# KiCad board MuxPi.kicad_pcb (continued)
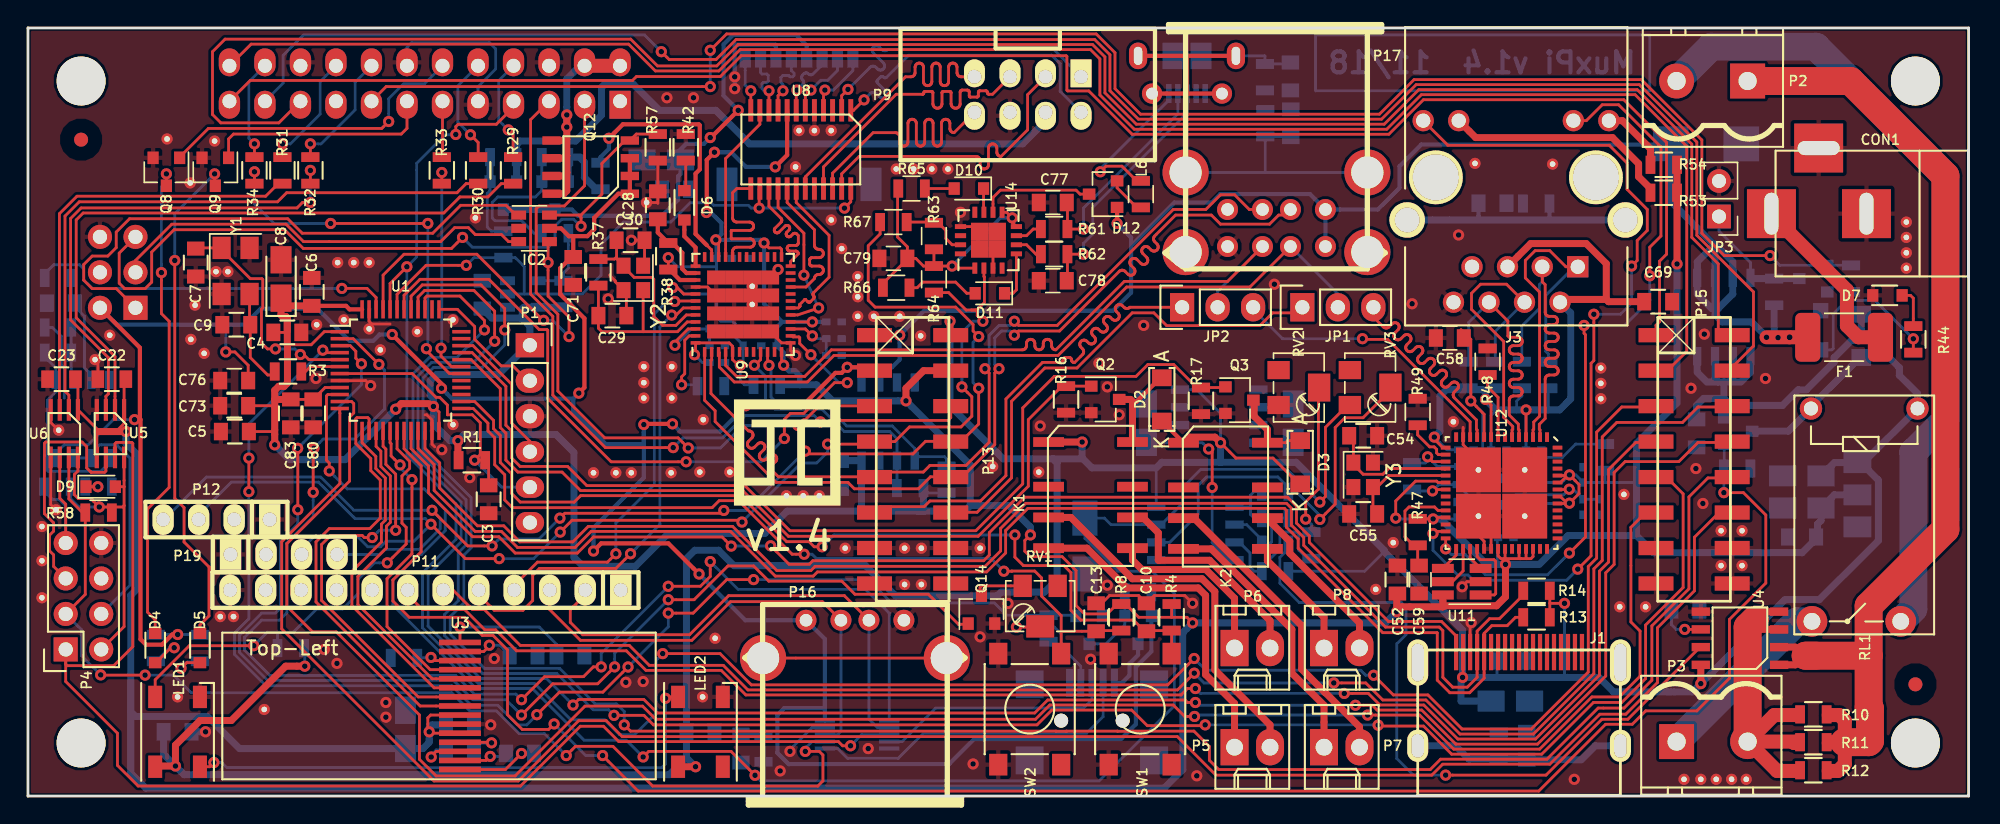
[diagram p0: board, top side]
## Routing (per net, layer and track width the routed paths; a pad name or vN(x,y) marks a point on that pad's centre or on a via; arc(x,y) is an arc through that point) (continued)
/NanoPi/SPI0_CS: length 131.2
  Top w0.2: 115.45,30.4 117.2,30.4 118.64,31.84 118.64,46.53 114.95,50.22 99.66,50.22 97.19,47.74 79.13,47.74 76.67,50.2 76.67,52.78 76,53.45 50.95,53.45 49.42,51.92 44.88,51.92 42.96,53.84 15.96,53.84 P14.24
/NanoPi/SPI0_MISO: length 133
  Top w0.2: v1(45.3,53.3) 45.86,52.74 49.22,52.74 50.65,54.17 76.3,54.17 77.39,53.08 77.39,50.5 79.43,48.46 96.82,48.46 99.29,50.94 115.25,50.94 119.36,46.83 119.36,40.15 123.41,36.1 123.41,32.23 121.59,30.4 120.9,30.4
  Bottom w0.2: v1(45.3,53.3) 44.1,54.5 19.71,54.5 18.25,53.04 18.25,51.05 P14.21
/NanoPi/SPI0_MOSI: length 140.3
  Top w0.2: P14.19 17.94,48.2 13.8,48.2 13.2,48.8 13.2,53.3 14.1,54.2 43.11,54.2 45.03,52.28 49.27,52.28 50.8,53.81 76.15,53.81 77.03,52.93 77.03,50.35 79.28,48.1 97,48.1 99.48,50.58 115.1,50.58 119,46.68 119,40 120.9,38.11 120.9,32.94
/NanoPi/STATUS_LED1: length 22.5
  Top w0.2: Q8.1 10.85,45.75 12.9,47.8 25.3,47.8 v1(25.8,48.3)
  Bottom w0.2: v1(25.8,48.3) 25.8,49.93 26.87,51 28.36,51 P14.12
/NanoPi/STATUS_LED2: length 16.4
  Top w0.2: Q9.1 14.35,47.05 14.7,47.4 26.7,47.4 27.11,47.81 P14.13
/NanoPi/TPI_CLK: length 30.7
  Top w0.2: P18.3 7.69,38.35 10.29,40.95 18.46,40.95 19.71,39.7 29.52,39.7 30.52,40.7 31.5,40.7 32,40.2 33.87,40.2 34.37,39.7 IC2.3
/NanoPi/TPI_DATA: length 40.3
  Top w0.2: IC2.1 34.9,41.6 34.2,42.3 30.95,42.3 28.95,40.3 19.62,40.3 18.58,41.34 7.27,41.34 6.31,40.39 6.31,39.27 5.71,38.66 4.59,38.66 3.99,38.06 3.99,36.94 4.59,36.34 6.31,36.34 P18.1
/NanoPi/TPI_RST: length 55.1
  Top w0.2: IC2.6 39.4,41.6 ; 39.4,41.6 39.56,41.44 v1(39.56,40.8) ; 39.4,41.6 39.55,41.6 41.05,43.1 41.05,45.29 42.7,46.94 Q12.4 43.51,47.4 R57.1 ; v1(31.08,40) 30.29,39.21 19.69,39.21 18.35,40.55 10.45,40.55 8.85,38.95 8.85,36.8 8.39,36.34 6.91,36.34 6.53,36.72 6.53,38.88 P18.5
  Bottom w0.2: v1(31.08,40) 31.78,39.3 37.22,39.3 37.7,39.78 37.7,40.82 38.18,41.3 39.02,41.3 39.52,40.8 v1(39.56,40.8)
/NanoPi/USB_A+: length 35.6
  Top w0.2: 60.55,20.32 60.95,20.72 64.1,20.72 64.51,21.13 68.13,21.13 69.95,22.95 69.95,28.43 72.57,31.05 73.87,31.05 73.91,31.05 73.94,31.07 73.98,31.09 74,31.12 74.02,31.15 74.04,31.19 74.05,31.26 74.06,31.3 74.08,31.33 74.11,31.36 74.14,31.38 74.18,31.4 74.22,31.4 74.47,31.4 74.51,31.4 74.54,31.38 74.58,31.36 74.6,31.33 74.62,31.3 74.64,31.26 74.65,31.19 74.66,31.15 74.68,31.12 74.71,31.09 74.74,31.07 74.78,31.05 74.82,31.05 74.87,31.05 75.42,31.61 75.46,31.66 75.49,31.72 75.51,31.78 75.51,31.85 75.49,31.92 75.46,31.98 75.42,32.03 75.32,32.14 75.28,32.19 75.25,32.25 75.23,32.31 75.23,32.38 75.25,32.45 75.28,32.51 75.32,32.56 75.37,32.6 75.43,32.63 75.5,32.65 75.56,32.65 75.63,32.63 75.69,32.6 75.74,32.56 75.85,32.45 75.9,32.41 75.96,32.38 76.03,32.37 76.09,32.37 76.16,32.38 76.22,32.41 76.27,32.45 76.31,32.51 76.34,32.57 76.36,32.63 76.36,32.7 76.34,32.77 76.31,32.83 76.27,32.88 76.17,32.98 76.12,33.04 76.09,33.1 76.08,33.16 76.08,33.23 76.09,33.3 76.12,33.36 76.17,33.41 76.22,33.45 76.28,33.48 76.34,33.49 76.41,33.49 76.48,33.48 76.54,33.45 76.59,33.41 76.7,33.3 76.75,33.26 76.81,33.23 76.87,33.22 76.94,33.22 77.01,33.23 77.07,33.26 77.12,33.3 77.16,33.36 77.19,33.42 77.21,33.48 77.21,33.55 77.19,33.61 77.16,33.67 77.12,33.73 77.01,33.83 76.97,33.89 76.94,33.95 76.93,34.01 76.93,34.08 76.94,34.14 76.97,34.21 77.01,34.26 77.07,34.3 77.13,34.33 77.19,34.34 77.26,34.34 77.33,34.33 77.39,34.3 77.44,34.26 77.54,34.15 77.6,34.11 77.66,34.08 77.72,34.07 77.79,34.07 77.86,34.08 77.92,34.11 77.97,34.15 78.01,34.2 78.04,34.26 78.05,34.33 78.05,34.4 78.04,34.46 78.01,34.52 77.97,34.58 77.86,34.68 77.82,34.73 77.79,34.79 77.78,34.86 77.78,34.93 77.79,34.99 77.82,35.05 77.86,35.11 77.92,35.15 77.98,35.18 78.04,35.19 78.11,35.19 78.17,35.18 78.23,35.15 78.29,35.11 78.39,35 78.45,34.96 78.51,34.93 78.57,34.91 78.64,34.91 78.7,34.93 78.76,34.96 78.82,35 JP2.1
/NanoPi/USB_A-: length 35.8
  Top w0.2: JP1.1 90.75,34.6 89.03,34.6 88.11,33.68 81.45,33.68 80.53,34.6 78.98,34.6 75.03,30.65 72.73,30.65 70.35,28.27 70.35,22.78 67.89,20.32 66,20.32 65.6,19.92
/NanoPi/USB_B+: length 62.4
  Top w0.2: P17.3 87.35,42 86.3,43.05 85.3,43.05 84.25,42 81.92,42 73.62,33.7 70.85,33.7 v1(70.55,34) ; v1(68.45,30.6) 68.75,30.3 68.75,25.33 67.09,23.67 64.51,23.67 64.04,23.2 60.89,23.2 60.55,22.86 53.67,22.86 53.24,23.29 53.2,23.34 53.17,23.4 53.16,23.47 53.16,23.54 53.17,23.6 53.2,23.66 53.24,23.71 53.47,23.94 53.51,23.99 53.54,24.05 53.56,24.12 53.56,24.19 53.54,24.25 53.51,24.31 53.47,24.37 53.42,24.41 53.36,24.44 53.29,24.45 53.22,24.45 53.16,24.44 53.1,24.41 53.05,24.37 52.82,24.14 52.77,24.1 52.71,24.07 52.64,24.05 52.57,24.05 52.51,24.07 52.45,24.1 52.39,24.14 52.35,24.19 52.32,24.25 52.31,24.32 52.31,24.38 52.32,24.45 52.35,24.51 52.39,24.56 52.62,24.79 52.66,24.84 52.69,24.9 52.71,24.97 52.71,25.04 52.69,25.1 52.66,25.16 52.62,25.21 52.57,25.26 52.51,25.29 52.44,25.3 52.38,25.3 52.31,25.29 52.25,25.26 52.2,25.21 51.97,24.99 51.92,24.95 51.86,24.92 51.79,24.9 51.72,24.9 51.66,24.92 51.6,24.95 51.55,24.99 51.5,25.04 51.47,25.1 51.46,25.17 51.46,25.23 51.47,25.3 51.5,25.36 51.55,25.41 51.77,25.64 51.81,25.69 51.84,25.75 51.86,25.82 51.86,25.88 51.84,25.95 51.81,26.01 51.77,26.06 51.72,26.1 51.66,26.13 51.59,26.15 51.53,26.15 48.85,28.83 48.85,31.2 48.9,31.25 U9.2
  Bottom w0.2: v1(70.55,34) 70.25,33.7 69.47,33.7 68.75,32.98 68.75,30.9 v1(68.45,30.6)
/NanoPi/USB_B-: length 66
  Top w0.2: v1(69.45,30.6) 69.15,30.3 69.15,25.17 66.84,22.86 64.55,22.86 63.69,22 59.11,22 58.65,22.46 53.51,22.46 49.15,26.82 49.15,27.59 48.4,28.34 U9.1 ; P17.2 89.9,41.6 89.45,41.6 88.8,40.95 85.3,40.95 84.65,41.6 82.08,41.6 80.6,40.11 80.55,40.06 80.52,40 80.51,39.93 80.51,39.87 80.52,39.8 80.55,39.74 80.6,39.69 80.75,39.53 80.8,39.48 80.82,39.42 80.84,39.35 80.84,39.29 80.82,39.22 80.8,39.16 80.75,39.11 80.7,39.06 80.64,39.04 80.57,39.02 80.51,39.02 80.44,39.04 80.38,39.06 80.33,39.11 80.17,39.26 80.12,39.31 80.06,39.34 79.99,39.35 79.93,39.35 79.86,39.34 79.8,39.31 79.75,39.26 79.71,39.21 79.68,39.15 79.66,39.09 79.66,39.02 79.68,38.95 79.71,38.89 79.75,38.84 80.01,38.58 80.05,38.52 80.08,38.46 80.1,38.4 80.1,38.33 80.08,38.27 80.05,38.2 80.01,38.15 79.96,38.11 79.9,38.08 79.83,38.07 79.77,38.07 79.7,38.08 79.64,38.11 79.59,38.15 79.32,38.42 79.27,38.46 79.21,38.49 79.14,38.5 79.08,38.5 79.01,38.49 78.95,38.46 78.9,38.42 78.86,38.36 78.83,38.3 78.81,38.24 78.81,38.17 78.83,38.1 78.86,38.04 78.9,37.99 79.09,37.8 79.13,37.75 79.16,37.69 79.18,37.62 79.18,37.55 79.16,37.49 79.13,37.43 79.09,37.37 79.04,37.33 78.98,37.3 78.91,37.29 78.85,37.29 78.78,37.3 78.72,37.33 78.67,37.37 78.47,37.57 78.42,37.61 78.36,37.64 78.3,37.65 78.23,37.65 78.16,37.64 78.1,37.61 78.05,37.57 73.78,33.3 70.85,33.3 v1(70.55,33)
  Bottom w0.2: v1(70.55,33) 70.25,33.3 69.63,33.3 69.15,32.82 69.15,30.9 v1(69.45,30.6)
/NanoPi/USB_DUT+: length 35.1
  Top w0.2: 60.13,12.61 58.39,14.35 50.12,14.35 47.32,11.55 39.68,11.55 38.79,12.44 38.79,13.34 39.86,14.41 P11.2
  Bottom w0.2: U13.2 60.76,4.9 60.15,5.51 P16.3
/NanoPi/USB_DUT-: length 34
  Top w0.2: P11.3 37.32,13.35 39.52,11.15 47.48,11.15 50.25,13.92 56.82,13.92 58.13,12.61
  Bottom w0.2: P16.2 58.15,4.63 57.92,4.4 U13.8
/NanoPi/USB_HUB+: length 30.2
  Top w0.2: v1(46.26,35.42) 46.3,35.45 U9.42 ; P11.4 34.78,15.09 36.44,16.75 41.45,16.75 v1(42.05,17.35)
  Bottom w0.2: v1(46.26,35.42) 45.7,35.42 44.8,34.52 44.8,22.3 42.05,19.55 v1(42.05,17.35)
/NanoPi/USB_HUB-: length 35
  Top w0.2: v1(43.1,17.35) 42.05,16.3 36.58,16.3 36.1,15.82 36.1,14 35.4,13.3 33.35,13.3 32.24,14.41 P11.5 32.24,15.09 ; U9.43 46.87,34.95 46.36,34.44 v1(46.04,34.44)
  Bottom w0.2: v1(46.04,34.44) 45.2,33.6 45.2,19.45 v1(43.1,17.35)
/SDMux/CLK_DUT: length 22.7
  Top w0.2: P9.5 68.99,50.25 68.75,50.25 68.72,50.25 68.7,50.26 68.67,50.28 68.65,50.3 68.64,50.32 68.63,50.35 68.62,50.4 68.61,50.43 68.6,50.45 68.58,50.47 68.55,50.49 68.53,50.5 68.5,50.5 68.1,50.5 68.07,50.5 68.05,50.49 68.02,50.47 68,50.45 67.99,50.43 67.98,50.4 67.97,50.38 67.97,50.15 67.97,50.13 67.97,50.11 67.95,50.09 67.94,50.07 67.92,50.06 67.9,50.05 67.88,50.05 67.42,50.05 67.4,50.05 67.38,50.06 67.36,50.07 67.35,50.09 67.33,50.11 67.33,50.13 67.33,50.15 67.33,50.4 67.32,50.43 67.31,50.47 67.29,50.49 67.27,50.52 67.24,50.54 67.21,50.55 67.17,50.55 66.83,50.55 66.79,50.55 66.76,50.54 66.73,50.52 66.71,50.49 66.69,50.47 66.68,50.43 66.67,50.4 66.67,49.57 66.67,49.5 66.64,49.43 66.6,49.37 66.55,49.32 66.49,49.28 66.42,49.26 66.35,49.25 66.28,49.26 66.21,49.28 66.15,49.32 66.1,49.37 66.06,49.43 66.03,49.5 66.03,49.57 66.03,50.35 66.02,50.37 66.02,50.39 66,50.41 65.99,50.43 65.97,50.44 65.95,50.45 65.92,50.45 65.47,50.45 65.45,50.45 65.43,50.44 65.41,50.43 65.4,50.41 65.38,50.39 65.38,50.37 65.38,50.35 65.38,49.57 65.37,49.5 65.34,49.43 65.3,49.37 65.25,49.32 65.19,49.28 65.12,49.26 65.05,49.25 64.98,49.26 64.91,49.28 64.85,49.32 64.8,49.37 64.76,49.43 64.73,49.5 64.72,49.57 64.72,50.35 64.72,50.37 64.72,50.39 64.7,50.41 64.69,50.43 64.67,50.44 64.65,50.45 64.62,50.45 64.17,50.45 64.15,50.45 64.13,50.44 64.11,50.43 64.1,50.41 64.08,50.39 64.08,50.37 64.07,50.33 64.07,50.31 64.05,50.29 64.04,50.27 64.02,50.26 64,50.25 63.97,50.25 62.1,50.25 56.9,45.05 U8.21
/SDMux/CMD_DUT: length 22.8
  Top w0.2: P9.3 71.5,50.22 71.5,47.7 69.6,45.8 69.53,45.81 69.47,45.83 69.41,45.87 69.37,45.91 69.33,45.97 69.31,46.03 69.3,46.1 69.3,46.4 69.29,46.47 69.27,46.53 69.23,46.59 69.19,46.63 69.13,46.67 69.07,46.69 69,46.7 68.93,46.69 68.87,46.67 68.81,46.63 68.77,46.59 68.73,46.53 68.71,46.47 68.7,46.4 68.7,45.2 68.69,45.13 68.67,45.07 68.63,45.01 68.59,44.97 68.53,44.93 68.47,44.91 68.4,44.9 68.33,44.91 68.27,44.93 68.21,44.97 68.17,45.01 68.13,45.07 68.11,45.13 68.1,45.2 68.1,45.5 68.09,45.57 68.07,45.63 68.03,45.69 67.99,45.73 67.93,45.77 67.87,45.79 67.8,45.8 59.45,45.8 58.2,44.55 U8.23
/SDMux/DAT0_DUT: length 22.8
  Top w0.2: P9.7 66.75,51.5 66.68,51.51 66.62,51.53 66.56,51.57 66.52,51.61 66.48,51.67 66.46,51.73 66.45,51.8 66.45,52.19 66.44,52.25 66.42,52.32 66.38,52.37 66.34,52.42 66.28,52.46 66.22,52.48 66.15,52.49 66.08,52.48 66.02,52.46 65.96,52.42 65.92,52.37 65.88,52.32 65.86,52.25 65.85,52.19 65.85,51.16 65.84,51.1 65.82,51.03 65.78,50.98 65.74,50.93 65.68,50.89 65.62,50.87 65.55,50.86 65.48,50.87 65.42,50.89 65.36,50.93 65.32,50.98 65.28,51.03 65.26,51.1 65.25,51.16 65.25,52.19 65.24,52.25 65.22,52.32 65.18,52.37 65.14,52.42 65.08,52.46 65.02,52.48 64.95,52.49 64.88,52.48 64.82,52.46 64.76,52.42 64.72,52.37 64.68,52.32 64.66,52.25 64.65,52.19 64.65,51.16 64.64,51.1 64.62,51.03 64.58,50.98 64.54,50.93 64.48,50.89 64.42,50.87 64.35,50.86 64.28,50.87 64.22,50.89 64.16,50.93 64.12,50.98 64.08,51.03 64.06,51.1 64.05,51.16 64.05,52.19 64.04,52.25 64.02,52.32 63.98,52.37 63.94,52.42 63.88,52.46 63.82,52.48 63.75,52.49 63.68,52.48 63.62,52.46 63.56,52.42 63.52,52.37 63.48,52.32 63.46,52.25 63.45,52.19 63.45,51.8 63.44,51.73 63.42,51.67 63.38,51.61 63.34,51.57 63.28,51.53 63.22,51.51 63.15,51.5 62.77,51.5 55.6,44.33 U8.19
/SDMux/DAT1_DUT: length 22.8
  Top w0.2: U8.22 57.55,44.6 60.45,47.5 62.04,47.5 62.11,47.49 62.17,47.47 62.23,47.43 62.27,47.39 62.31,47.33 62.33,47.27 62.34,47.2 62.34,46.84 62.35,46.77 62.37,46.71 62.41,46.65 62.45,46.6 62.51,46.57 62.57,46.54 62.64,46.54 62.71,46.54 62.77,46.57 62.83,46.6 62.87,46.65 62.91,46.71 62.93,46.77 62.94,46.84 62.94,48.16 62.95,48.23 62.97,48.29 63.01,48.35 63.05,48.4 63.11,48.43 63.17,48.46 63.24,48.46 63.31,48.46 63.37,48.43 63.43,48.4 63.47,48.35 63.51,48.29 63.53,48.23 63.54,48.16 63.54,46.84 63.55,46.77 63.57,46.71 63.61,46.65 63.65,46.6 63.71,46.57 63.77,46.54 63.84,46.54 63.91,46.54 63.97,46.57 64.03,46.6 64.07,46.65 64.11,46.71 64.13,46.77 64.14,46.84 64.14,48.16 64.15,48.23 64.17,48.29 64.21,48.35 64.25,48.4 64.31,48.43 64.37,48.46 64.44,48.46 64.51,48.46 64.57,48.43 64.63,48.4 64.67,48.35 64.71,48.29 64.73,48.23 64.74,48.16 64.74,46.84 64.75,46.77 64.77,46.71 64.81,46.65 64.85,46.6 64.91,46.57 64.97,46.54 65.04,46.54 65.11,46.54 65.17,46.57 65.23,46.6 65.27,46.65 65.31,46.71 65.33,46.77 65.34,46.84 65.34,48.16 65.35,48.23 65.37,48.29 65.41,48.35 65.45,48.4 65.51,48.43 65.57,48.46 65.64,48.46 65.71,48.46 65.77,48.43 65.83,48.4 65.87,48.35 65.91,48.29 65.93,48.23 65.94,48.16 65.94,47.8 65.95,47.73 65.97,47.67 66.01,47.61 66.05,47.57 66.11,47.53 66.17,47.51 66.24,47.5 P9.8
/SDMux/DAT2_DUT: length 23.2
  Top w0.2: v1(58.65,50.6) 58.2,50.15 U8.2 ; 75.32,51.95 P9.1
  Bottom w0.2: v1(58.65,50.6) 60.23,52.18 60.28,52.22 60.34,52.25 60.41,52.26 60.47,52.26 60.54,52.25 60.6,52.22 60.65,52.18 60.76,52.07 60.81,52.02 60.88,52 60.94,51.98 61.01,51.98 61.07,52 61.13,52.02 61.19,52.07 61.23,52.12 61.26,52.18 61.27,52.24 61.27,52.31 61.26,52.38 61.23,52.44 61.19,52.49 60.47,53.21 60.43,53.26 60.4,53.32 60.38,53.39 60.38,53.45 60.4,53.52 60.43,53.58 60.47,53.63 60.52,53.67 60.58,53.7 60.65,53.72 60.72,53.72 60.78,53.7 60.84,53.67 60.89,53.63 61.08,53.45 61.13,53.41 61.19,53.38 61.25,53.36 61.32,53.36 61.39,53.38 61.45,53.41 61.5,53.45 73.38,53.45 74.23,52.6 74.23,52.59 P9.1
/SDMux/DAT3_DUT: length 22.9
  Top w0.2: v1(59.8,49.85) 59.05,49.1 U8.1
  Bottom w0.2: v1(59.8,49.85) 60.25,50.3 60.3,50.34 60.36,50.37 60.43,50.39 60.5,50.39 60.56,50.37 60.62,50.34 60.67,50.3 60.9,50.07 60.95,50.03 61.01,50 61.08,49.99 61.15,49.99 61.21,50 61.27,50.03 61.33,50.07 61.37,50.13 61.4,50.19 61.41,50.25 61.41,50.32 61.4,50.38 61.37,50.44 61.33,50.5 60.77,51.05 60.75,51.08 60.73,51.11 60.73,51.15 60.73,51.18 60.73,51.22 60.75,51.25 60.77,51.28 60.97,51.47 61,51.5 61.03,51.51 61.07,51.52 61.1,51.52 61.14,51.51 61.17,51.5 61.23,51.45 61.26,51.44 61.29,51.43 61.33,51.43 61.36,51.44 61.4,51.45 61.42,51.47 63,53.05 73.21,53.05 73.83,52.43 73.83,50.45 P9.2
/SDMux/SD_CLK_TS: length 11.5
  Top w0.2: U9.21 55.65,36.45 56.25,37.05 56.26,37.12 56.28,37.18 56.32,37.24 56.36,37.28 56.42,37.32 56.48,37.34 56.55,37.35 56.59,37.35 56.66,37.36 56.72,37.38 56.78,37.42 56.82,37.46 56.86,37.52 56.88,37.58 56.89,37.65 56.88,37.72 56.86,37.78 56.82,37.84 56.78,37.88 56.72,37.92 56.66,37.94 56.59,37.95 56.08,37.95 56.04,37.95 56.01,37.97 55.97,37.99 55.95,38.01 55.93,38.05 55.91,38.08 55.91,38.12 55.91,38.38 55.91,38.42 55.93,38.45 55.95,38.49 55.97,38.51 56.01,38.53 56.04,38.55 56.08,38.55 56.59,38.55 56.66,38.56 56.72,38.58 56.78,38.62 56.82,38.66 56.86,38.72 56.88,38.78 56.89,38.85 56.88,38.92 56.86,38.98 56.82,39.04 56.78,39.08 56.72,39.12 56.66,39.14 56.59,39.15 56.55,39.15 56.48,39.16 56.42,39.18 56.36,39.22 56.32,39.26 56.28,39.32 56.26,39.38 56.25,39.45 56.25,40.55 54.3,42.5 U8.17
/SDMux/SD_CMD_TS: length 10.4
  Top w0.2: U8.15 53,42.23 53.86,41.37 53.89,41.34 53.91,41.3 53.92,41.25 53.92,41.21 53.91,41.16 53.89,41.12 53.86,41.09 53.44,40.66 53.41,40.63 53.39,40.59 53.38,40.55 53.38,40.5 53.39,40.46 53.41,40.42 53.44,40.38 53.47,40.35 53.51,40.33 53.56,40.32 53.6,40.32 53.65,40.33 53.69,40.35 53.72,40.38 54.15,40.81 54.18,40.83 54.22,40.85 54.26,40.86 54.31,40.86 54.35,40.85 54.39,40.83 54.43,40.81 54.46,40.77 54.48,40.73 54.49,40.69 54.49,40.64 54.48,40.6 54.46,40.56 54.43,40.52 54.29,40.38 54.26,40.35 54.24,40.31 54.23,40.26 54.23,40.22 54.24,40.17 54.26,40.13 54.29,40.1 54.32,40.07 54.36,40.05 54.41,40.04 54.45,40.04 54.49,40.05 54.53,40.07 54.57,40.1 54.71,40.24 54.75,40.27 54.79,40.29 54.83,40.3 54.87,40.3 54.92,40.29 54.96,40.27 54.99,40.24 55.1,40.13 55.1,39.62 55.09,39.58 55.08,39.54 55.06,39.5 55.02,39.47 54.99,39.44 54.94,39.43 54.9,39.43 54.5,39.43 54.46,39.42 54.41,39.41 54.38,39.38 54.34,39.35 54.32,39.31 54.31,39.27 54.3,39.22 54.31,39.18 54.32,39.14 54.34,39.1 54.38,39.07 54.41,39.04 54.46,39.03 54.5,39.03 54.9,39.03 54.94,39.02 54.99,39.01 55.02,38.98 55.06,38.95 55.08,38.91 55.09,38.87 55.1,38.82 54.55,38.28 U9.24
/SDMux/SD_DAT0_TS: length 11.5
  Top w0.2: U8.18 54.95,42.5 57.3,40.15 57.3,37.15 56.19,36.04 56.17,36.01 56.15,35.98 56.15,35.95 56.15,35.92 56.15,35.88 56.17,35.85 56.21,35.8 56.22,35.77 56.23,35.74 56.23,35.71 56.22,35.67 56.21,35.64 56.19,35.62 55.98,35.4 55.95,35.38 55.92,35.37 55.89,35.36 55.85,35.36 55.82,35.37 55.79,35.38 55.76,35.4 55.62,35.54 55.62,35.55 55.61,35.56 55.59,35.56 55.58,35.56 55.57,35.56 55.56,35.55 55.55,35.54 55.2,35.19 55.19,35.18 55.19,35.17 55.19,35.16 55.19,35.15 55.19,35.14 55.19,35.13 55.21,35.11 55.21,35.1 55.21,35.09 55.21,35.08 55.21,35.07 55.21,35.06 55.2,35.05 55.1,34.95 U9.18
/SDMux/SD_DAT1_TS: length 11.6
  Top w0.2: v1(56.55,34.95) 55.05,34.45 U9.17 ; U8.16 53.65,42.15 55.5,40.3 v1(55.5,37.3)
  Bottom w0.2: v1(56.55,34.95) v1(55.5,37.3)
/SDMux/SD_DAT2_TS: length 11.5
  Top w0.2: U9.33 49.9,45.65 52.35,48.1 U8.11
/SDMux/SD_DAT3_TS: length 11.5
  Top w0.2: U8.13 50.7,43.5 50.4,43.2 50.4,41.4 50.41,41.33 50.43,41.27 50.47,41.21 50.51,41.17 50.57,41.13 50.63,41.11 50.7,41.1 51.6,41.1 51.67,41.09 51.73,41.07 51.79,41.03 51.83,40.99 51.87,40.93 51.89,40.87 51.9,40.8 51.89,40.73 51.87,40.67 51.83,40.61 51.79,40.57 51.73,40.53 51.67,40.51 51.6,40.5 50.35,40.5 50.34,40.5 50.33,40.5 50.32,40.49 50.31,40.48 50.3,40.47 50.3,40.46 50.3,40.45 50.3,39.95 50.3,39.94 50.3,39.93 50.31,39.92 50.32,39.91 50.33,39.9 50.34,39.9 50.35,39.9 51.65,39.9 51.72,39.89 51.78,39.87 51.84,39.83 51.88,39.79 51.92,39.73 51.94,39.67 51.95,39.6 51.94,39.53 51.92,39.47 51.88,39.41 51.84,39.37 51.78,39.33 51.72,39.31 51.65,39.3 50.7,39.3 50.63,39.29 50.57,39.27 50.51,39.23 50.47,39.19 50.43,39.13 50.41,39.07 50.4,39 U9.32
/SDMux/SD_PWR_TS: length 6
  Bottom w0.5: R19.2 Q4.2 ; R19.2 38.65,45.45 ; R19.2 39.5,45.75 39.55,45.7 39.55,45.65 39.8,45.4 39.8,44.3 40.65,43.45 L1.1
/SDMux/USD_VDD: length 35.3
  Top w0.3: v1(50.8,49.1) 48.85,47.15 v1(48.8,47.15)
  Bottom w0.2: 46.5,43.47 46.52,43.45 C25.1
  Bottom w0.3: 46.38,46 47.08,46.7 48.35,46.7 v1(48.8,47.15) ; J2.4 55.7,53.75 54.95,54.5 50.44,54.5 49.75,53.81 49.75,50.15 v1(50.8,49.1) ; Q4.3 38.9,42 39.35,41.55 45.35,41.55 46.5,42.7 46.5,44.38 46.67,44.55 C26.1
  Bottom w0.5: Q5.3 Q4.3
/USB HUB & SD Reader/USB_A+: length 51.5
  Top w0.2: U9.4 49.9,30.83 50.68,30.05 55.56,30.05 57.46,31.95 71.12,31.95 71.18,31.96 71.25,31.98 71.3,32.02 71.35,32.06 71.39,32.12 71.41,32.18 71.42,32.25 71.42,32.41 71.42,32.47 71.45,32.54 71.48,32.59 71.53,32.64 71.59,32.68 71.65,32.7 71.72,32.71 71.78,32.7 71.85,32.68 71.9,32.64 71.95,32.59 71.99,32.54 72.01,32.47 72.02,32.41 72.02,32.25 72.02,32.18 72.05,32.12 72.08,32.06 72.13,32.02 72.19,31.98 72.25,31.96 72.32,31.95 72.38,31.96 72.45,31.98 72.5,32.02 72.55,32.06 72.59,32.12 72.61,32.18 72.62,32.25 72.62,32.41 72.62,32.47 72.65,32.54 72.68,32.59 72.73,32.64 72.79,32.68 72.85,32.7 72.92,32.71 72.98,32.7 73.05,32.68 73.1,32.64 73.15,32.59 73.19,32.54 73.21,32.47 73.22,32.41 73.22,32.25 73.22,32.18 73.25,32.12 73.28,32.06 73.33,32.02 73.39,31.98 73.45,31.96 73.52,31.95 78.42,36.85 85.8,36.85 P17.7 ; 85.09,34.7 JP2.2
  Bottom w0.2: JP2.2 85.09,36.14 P17.7
/USB HUB & SD Reader/USB_A-: length 52.3
  Top w0.2: P17.6 87.4,36.45 78.58,36.45 73.68,31.55 57.65,31.55 55.75,29.65 50.52,29.65 49.45,30.72 49.45,31.75 U9.3 ; 93.69,34.85 JP1.2
  Bottom w0.2: JP1.2 93.69,35.96 P17.6
Net-(C7-Pad1): length 16.5
  Top w0.2: v1(19.48,31.62) 19.72,31.62 20.09,31.25 U1.5 ; v1(17.7,32.01) 17.13,32.01 16.7,32.45 16.7,34.85 16.8,34.95 16.8,36.99 16.74,37.05 15.9,37.05 13.85,39.1 Y1.1 12.05,39.25 C7.1
  Bottom w0.2: v1(17.7,32.01) 19.09,32.01 v1(19.48,31.62)
Net-(C9-Pad1): length 6.9
  Top w0.2: 17.7,30.15 17.15,30.15 15.9,31.4 C9.1 15.85,33.8 Y1.3
Net-(C11-Pad1): length 9.3
  Top w0.2: U3.15 v1(30.9,12.1)
  Bottom w0.2: C11.1 37.8,10.88 36.58,12.1 v1(30.9,12.1)
Net-(C12-Pad1): length 4.1
  Top w0.2: v1(33,10.8) 33,10.75 32.6,10.35 U3.14
  Bottom w0.2: v1(33,10.8) 33.75,10.8 34.45,10.1 C12.1
Net-(C14-Pad1): length 3.6
  Top w0.2: v1(33.06,2.84) 32.77,2.55 U3.2
  Bottom w0.2: 34.3,2.7 34.16,2.84 v1(33.06,2.84)
Net-(C14-Pad2): length 6
  Top w0.2: v1(35.3,3.05) 34.15,1.9 U3.1
  Bottom w0.2: v1(35.3,3.05) 35.95,3.05 36.3,2.7
Net-(C15-Pad1): length 3.7
  Top w0.2: v1(33.16,3.81) 33.12,3.85 U3.4
  Bottom w0.2: C15.1 32.4,3.8 32.7,3.8 32.71,3.81 v1(33.16,3.81)
Net-(C15-Pad2): length 3.6
  Top w0.2: v1(28.84,2.8) 28.84,2.84 29.2,3.2 U3.3
  Bottom w0.2: C15.2 29.2,3.3 28.84,2.94 v1(28.84,2.8)
Net-(C18-Pad2): length 3.3
  Top w0.2: U4.6 v1(118.5,11.94)
  Bottom w0.2: v1(118.5,11.94) 117.89,11.94 117.55,12.28 C18.2
Net-(C21-Pad1): length 15.3
  Bottom w0.5: J1.SHLD 112.1,3.6 111.1,2.6 C21.1 107.15,2.65 R15.1 103.05,2.65 102.1,3.6 J1.SHLD
Net-(C27-Pad1): length 20.5
  Top w0.2: P16.5 P16.5
  Bottom w0.3: C27.1 52.55,4.4 R35.1 52.6,9.86 P16.5
  Bottom w0.5: 52.66,9.8 P16.5 ; 65.69,9.85 P16.5
Net-(C28-Pad1): length 5.5
  Top w0.3: U9.38 47.1,37.45 46.8,37.75 46.8,38.9 46.1,39.6 R38.2 45.05,40.35 C28.1
Net-(C29-Pad1): length 13.4
  Top w0.2: 44,33.25 Y2.1 ; 44,33.25 41.05,33.25 40.8,33.5 R37.2 ; 44,33.25 46.46,33.25 47.16,33.95 U9.45
Net-(C30-Pad1): length 12.2
  Top w0.2: 42.1,38.6 41.95,38.45 R37.1 ; 42.1,38.6 42.1,38.47 Y2.3 42.6,37.9 43.36,37.14 44.63,37.14 44.76,37.01 44.76,34.34 45.4,33.7 46.34,33.7 47.09,34.45 U9.44 ; 42.1,38.6 C30.1
Net-(C31-Pad1): length 6.5
  Top w0.2: v1(46.27,32.28) 46.27,32.5 47.22,33.45 U9.46
  Bottom w0.2: 48.94,33.44 47.44,33.44 v1(46.27,32.28) ; C31.1 C32.1 48.74,33.44
Net-(C33-Pad1): length 4
  Top w0.2: U9.15 55.6,33.45 v1(56.1,32.95)
  Bottom w0.2: v1(56.1,32.95) 56.3,32.75 C33.1 C34.1
Net-(C35-Pad1): length 20.4
  Top w0.2: U9.41 46.9,35.95 46.45,36.41 v1(46.12,36.41) ; v1(47.67,31.6) 47.75,31.68 U9.48 50.15,32.45 50.4,32.2 U9.5 50.4,31.25 50.8,30.85 v1(50.95,30.85)
  Bottom w0.2: C39.1 48.22,31.05 v1(47.67,31.6) ; L2.2 51.25,29.45 50.95,29.75 v1(50.95,30.85) 51.15,31.05 C35.1 51.15,32.3 50.6,32.85 50.6,33.79 50.39,34 49.55,34 49.25,34.3 C41.1 C37.1 46.9,35.95 46.45,36.41 v1(46.12,36.41)
Net-(C45-Pad1): length 17.5
  Bottom w0.2: 88.5,44.65 88.5,47.22 90.28,47.22 C45.1 ; 88.5,44.65 P17.9 ; 88.5,44.65 P17.9
  Bottom w0.5: 95.71,44.56 P17.9
Net-(C46-Pad1): length 7.9
  Bottom w0.2: R7.1 3.1,35.55 C46.1 3.35,35.05 4.04,34.36 4.04,30.66 4.54,30.16 U2.3
Net-(C53-Pad1): length 16.8
  Top w0.2: v1(100.46,21.85) 100.56,21.95 U12.21 ; U12.50 110.22,21.95 v1(110.24,21.97)
  Bottom w0.2: C53.1 C56.1 111.2,21.3 110.53,21.97 v1(110.24,21.97) 109.84,21.57 106.42,21.57 105.7,20.85 L3.2 104.15,20.85 104.12,20.88 103.67,20.88 102.25,22.3 C57.1 100.91,22.3 v1(100.46,21.85) 99.1,21.85 L4.2
Net-(C54-Pad1): length 9.3
  Top w0.2: 101.34,23.39 U12.18 97.32,23.45 96.91,23.04 95.5,23.04 94.8,23.74 Y3.1 94.8,25.5 C54.1
Net-(C55-Pad1): length 7.6
  Top w0.2: C55.1 96.2,20.5 Y3.3 96.5,22.12 97.33,22.95 U12.19
Net-(C58-Pad1): length 15
  Top w0.2: 102.5,33.4 103.2,32.7 v1(103.2,28.29) 104.15,27.34 U12.10
  Bottom w0.2: v1(103.2,28.29) 104.05,27.44 104.05,24.31 104.55,23.81 104.55,23.3 105.1,22.75 L3.1
Net-(C59-Pad1): length 7.4
  Top w0.2: 99.4,16.7 R47.2 99.1,17.95 98.49,18.56 98.49,20.41 98.78,20.7 100.61,20.7 100.86,20.45 U12.24
Net-(C60-Pad1): length 5.4
  Top w0.2: U12.17 100.45,23.95 v1(100.11,24.29)
  Bottom w0.2: v1(100.11,24.29) 100.11,24.01 99.95,23.85 L4.1 ; v1(100.11,24.29) 100.07,24.25 ; v1(100.11,24.29) 100.8,23.6 C60.1
Net-(C70-Pad1): length 18
  Bottom w0.3: 108.8,41.25 108.83,41.28 R56.1 ; 103.75,41.25 C70.1
  Bottom w0.5: J3.13 J3.13
Net-(C72-Pad1): length 26.2
  Top w0.3: 82.9,53 82.9,50.3 ; 82.9,53 P10.6 ; 82.9,53 P10.6 ; 82.9,50.3 P10.6 ; 82.9,50.3 P10.6
  Bottom w0.2: P10.6 88.45,53 88.47,52.97 R60.1 90.2,52.43 C72.1
  Bottom w0.3: P10.6 P10.6 P10.6 P10.6
Net-(C77-Pad1): length 15.6
  Top w0.2: v1(75.5,40.6) R61.2 74.35,42.45 C77.1
  Bottom w0.2: v1(75.5,40.6) 75.5,42.1 82.25,48.85 P10.2
Net-(C78-Pad1): length 17.6
  Top w0.2: v1(75.5,38.8) R62.2 74.35,36.95 C78.1
  Bottom w0.2: v1(75.5,38.8) 75.5,39.58 76.16,40.24 76.16,42.16 82.9,48.9 P10.3
Net-(C79-Pad1): length 22.1
  Top w0.2: R65.1 62.2,43.45 62.2,40.03 62.9,39.32 C79.1 ; R64.1 v1(66.1,37.95) 66.25,37.8 67.72,37.8 ; R64.1 64.05,37.95 63.5,38.5 C79.1 ; R64.1 R63.1 ; C79.1 62.9,38.45 61.15,36.7 R66.1 ; U14.8 70.4,41.07 v1(70.4,41.4) 70,41.8 U14.9
  Top w0.25: 70.17,41.28 70.3,41.4 v1(70.4,41.4)
  Bottom w0.25: v1(66.1,37.95) 69.55,41.4 v1(70.4,41.4)
Net-(C81-Pad1): length 2.6
  Bottom w0.2: C81.1 90.26,27.84 88,27.84
Net-(C81-Pad2): length 2.5
  Bottom w0.2: C81.2 90.47,25.29 U16.4
Net-(CON1-Pad1): length 13.7
  Top w1: CON1.1 124.7,41.62 130.1,36.22 130.1,33.68 130.93,32.85 F1.2
  Top w2: CON1.1 124.7,40.96
Net-(D1-Pad2): length 10.1
  Bottom w0.5: Q1.3 125.91,26.12 RL1.1 127.53,27.91 131.03,31.4 D1.2
Net-(D2-Pad2): length 6.9
  Top w0.2: 78.9,26.95 79,27.05
  Top w0.3: 79,28.25 79.3,28.25 81,29.95 D2.2
  Top w0.5: K1.8 79,28.25 78.85,28.4 Q2.3
Net-(D3-Pad2): length 5.9
  Top w0.2: D3.2 90.1,25.45 89.95,25.3 K2.8
  Top w0.5: K2.8 88.65,26.25 87.7,27.2 87.7,28.3 Q3.3
Net-(D4-Pad1): length 35
  Top w0.2: v1(9.9,44.55) Q8.3 ; v1(9.54,37.48) 9.54,34.55 10.1,33.99 10.1,22.1 8.55,20.55 8.55,13.17 9.1,12.62 D4.1
  Bottom w0.2: v1(9.54,37.48) 9.54,43.63 9.9,43.98 v1(9.9,44.55)
Net-(D4-Pad2): length 3.6
  Top w0.2: D4.2 9.15,9.55 10.22,10.62 v1(10.46,10.62)
  Bottom w0.2: R28.2 10.12,10.62 v1(10.46,10.62) 10.43,10.65
